# Altium PCB MB1166.PcbDoc (part 15 of 39)
Units mil, origin at the board's own origin, x right, y up, seen from the top; angles counter-clockwise.
Board outline 5000.99 x 2352.96 mil, 4 copper layers (TOP, L2_GND, L3_VCC, BOTTOM), stack 25.9 mil thick; 35 components, 24 nets, 166 pads, 143 vias.
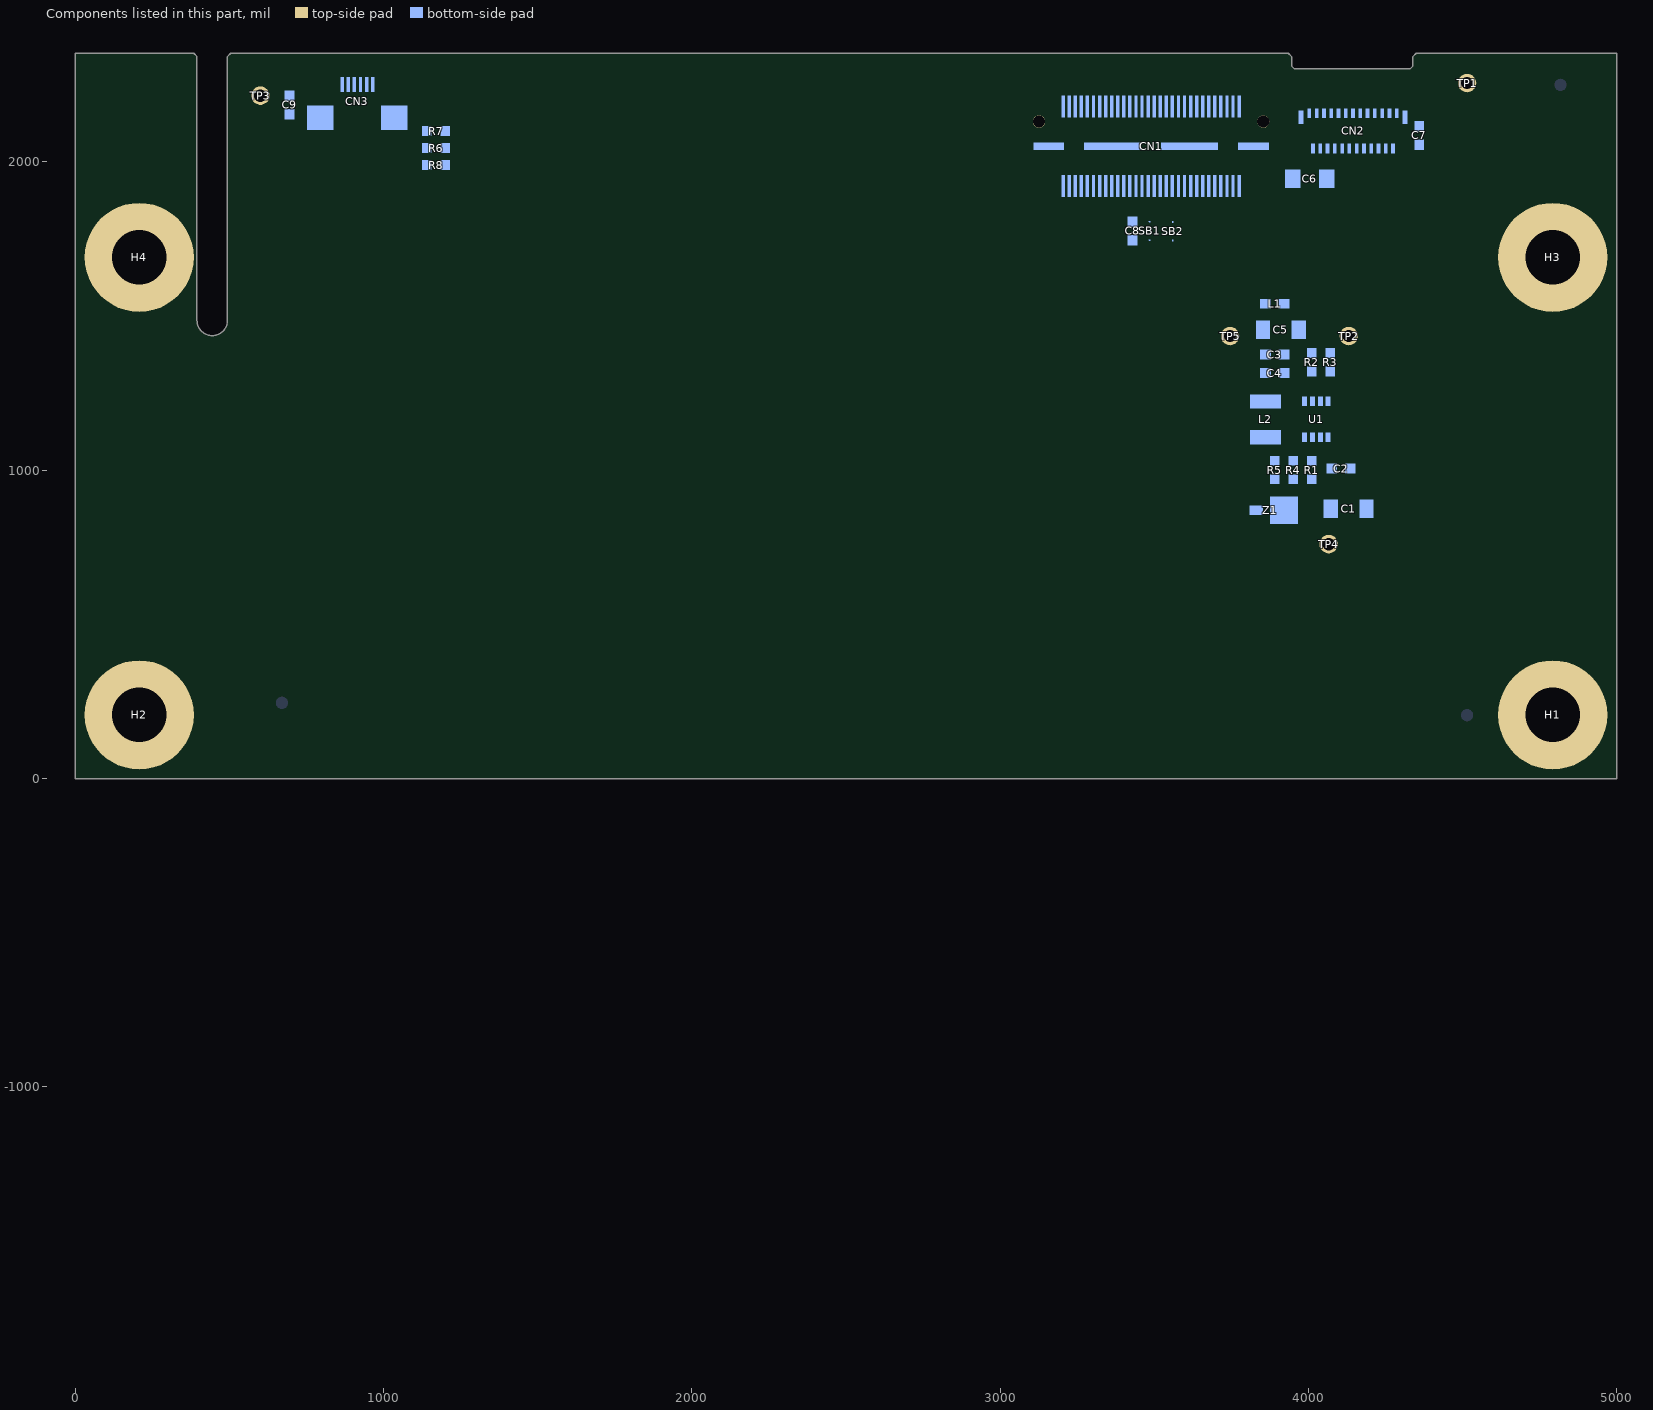
[diagram p17: the components of this part, seen from the top]

## Via types
v1: diameter 24, hole 12, TOP to BOTTOM, 143 vias

## Nets (pads, with @x,y where several pads share a name; then routed paths per layer and width w, separated by ;. In a path a pad name is that pad's centre, name@x,y a point inside that pad or via, vN(x,y) a via of type N, cw(c..) or ccw(c..) an arc to the next point about the centre after c; other vN are vias at no path point) (continued)
copper on no net: (continued)
  TOP w3: 606.09,-1141.59 cw(c530.2,-1161.4) 537.1,-1239.53 ; 451.77,-1162.72 451.77,-1162.02 ; 451.77,-1162.72 451.78,-1162.82 ; 451.77,-1162.72 451.77,-1162.02 ; 451.77,-1162.72 451.78,-1162.82 ; 451.77,-1162.02 451.76,-1161.92 ; 451.77,-1162.02 451.76,-1161.92 ; 451.76,-1161.92 451.76,-1160.92 ; 451.76,-1161.92 451.76,-1160.92 ; 451.76,-1160.92 451.77,-1160.82 ; 451.76,-1160.92 451.77,-1160.82 ; 451.77,-1160.82 451.77,-1160.12 ; 451.77,-1160.82 451.77,-1160.12 ; 451.77,-1160.12 451.78,-1160.02 ; 451.77,-1160.12 451.78,-1160.02 ; 451.82,-1164.42 451.82,-1164.32 ; 451.82,-1164.42 451.83,-1164.52 ; 451.82,-1164.42 451.82,-1164.32 ; 451.82,-1164.42 451.83,-1164.52 ; 451.82,-1164.32 451.81,-1164.22 ; 451.82,-1164.32 451.81,-1164.22 ; 451.81,-1164.22 451.81,-1164.02 ; 451.81,-1164.22 451.81,-1164.02 ; 451.81,-1164.02 451.8,-1163.92 ; 451.81,-1164.02 451.8,-1163.92 ; 451.8,-1163.92 451.8,-1163.72 ; 451.8,-1163.92 451.8,-1163.72 ; 451.8,-1163.72 451.79,-1163.62 ; 451.8,-1163.72 451.79,-1163.62 ; 451.79,-1163.62 451.79,-1163.32 ; 451.79,-1163.62 451.79,-1163.32 ; 451.79,-1163.32 451.78,-1163.22 ; 451.79,-1163.32 451.78,-1163.22 ; 451.78,-1163.22 451.78,-1162.82 ; 451.78,-1163.22 451.78,-1162.82 ; 451.78,-1160.02 451.78,-1159.62 ; 451.78,-1160.02 451.78,-1159.62 ; 451.78,-1159.62 451.79,-1159.52 ; 451.78,-1159.62 451.79,-1159.52 ; 451.79,-1159.52 451.79,-1159.22 ; 451.79,-1159.52 451.79,-1159.22 ; 451.79,-1159.22 451.8,-1159.12 ; 451.79,-1159.22 451.8,-1159.12 ; 451.8,-1159.12 451.8,-1158.92 ; 451.8,-1159.12 451.8,-1158.92 ; 451.8,-1158.92 451.81,-1158.82 ; 451.8,-1158.92 451.81,-1158.82 ; 451.81,-1158.82 451.81,-1158.62 ; 451.81,-1158.82 451.81,-1158.62 ; 451.81,-1158.62 451.82,-1158.52 ; 451.81,-1158.62 451.82,-1158.52 ; 451.82,-1158.52 451.82,-1158.32 ; 451.82,-1158.52 451.82,-1158.32 ; 451.82,-1158.32 451.83,-1158.22 ; 451.82,-1158.32 451.83,-1158.22 ; 451.87,-1165.51 451.87,-1165.41 ; 451.87,-1165.51 451.88,-1165.61 ; 451.87,-1165.51 451.87,-1165.41 ; 451.87,-1165.51 451.88,-1165.61 ; 451.87,-1165.41 451.86,-1165.31 ; 451.87,-1165.41 451.86,-1165.31 ; 451.86,-1165.31 451.86,-1165.21 ; 451.86,-1165.31 451.86,-1165.21 ; 451.86,-1165.21 451.85,-1165.11 ; 451.86,-1165.21 451.85,-1165.11 ; 451.85,-1165.11 451.85,-1165.01 ; 451.85,-1165.11 451.85,-1165.01 ; 451.85,-1165.01 451.84,-1164.92 ; 451.85,-1165.01 451.84,-1164.92 ; 451.84,-1164.92 451.84,-1164.82 ; 451.84,-1164.92 451.84,-1164.82 ; 451.84,-1164.82 451.83,-1164.72 ; 451.84,-1164.82 451.83,-1164.72 ; 451.83,-1164.72 451.83,-1164.52 ; 451.83,-1164.72 451.83,-1164.52 ; 451.83,-1158.22 451.83,-1158.12 ; 451.83,-1158.22 451.83,-1158.12 ; 451.83,-1158.12 451.84,-1158.02 ; 451.83,-1158.12 451.84,-1158.02 ; 451.84,-1158.02 451.84,-1157.92 ; 451.84,-1158.02 451.84,-1157.92 ; 451.84,-1157.92 451.85,-1157.82 ; 451.84,-1157.92 451.85,-1157.82 ; 451.85,-1157.82 451.85,-1157.62 ; 451.85,-1157.82 451.85,-1157.62 ; 451.85,-1157.62 451.86,-1157.52 ; 451.85,-1157.62 451.86,-1157.52 ; 451.86,-1157.52 451.86,-1157.42 ; 451.86,-1157.52 451.86,-1157.42 ; 451.86,-1157.42 451.87,-1157.32 ; 451.86,-1157.42 451.87,-1157.32 ; 451.87,-1157.32 451.87,-1157.22 ; 451.87,-1157.32 451.87,-1157.22 ; 451.87,-1157.22 451.89,-1157.02 ; 451.87,-1157.22 451.89,-1157.02 ; 451.92,-1166.41 451.92,-1166.31 ; 451.92,-1166.41 451.94,-1166.61 ; 451.92,-1166.41 451.92,-1166.31 ; 451.92,-1166.41 451.94,-1166.61 ; 451.92,-1166.31 451.91,-1166.21 ; 451.92,-1166.31 451.91,-1166.21 ; 451.91,-1166.21 451.91,-1166.11 ; 451.91,-1166.21 451.91,-1166.11 ; 451.91,-1166.11 451.89,-1165.91 ; 451.91,-1166.11 451.89,-1165.91 ; 451.89,-1165.91 451.89,-1165.81 ; 451.89,-1165.91 451.89,-1165.81 ; 451.89,-1165.81 451.88,-1165.71 ; 451.89,-1165.81 451.88,-1165.71 ; 451.88,-1165.71 451.88,-1165.61 ; 451.88,-1165.71 451.88,-1165.61 ; 451.89,-1157.02 451.89,-1156.92 ; 451.89,-1157.02 451.89,-1156.92 ; 451.89,-1156.92 451.9,-1156.82 ; 451.89,-1156.92 451.9,-1156.82 ; 451.9,-1156.82 451.9,-1156.72 ; 451.9,-1156.82 451.9,-1156.72 ; 451.9,-1156.72 451.92,-1156.52 ; 451.9,-1156.72 451.92,-1156.52 ; 451.92,-1156.52 451.92,-1156.42 ; 451.92,-1156.52 451.92,-1156.42 ; 451.92,-1156.42 451.93,-1156.32 ; 451.92,-1156.42 451.93,-1156.32 ; 451.96,-1167.01 451.96,-1166.91 ; 451.96,-1167.01 451.99,-1167.31 ; 451.96,-1167.01 451.96,-1166.91 ; 451.96,-1167.01 451.99,-1167.31 ; 451.96,-1166.91 451.94,-1166.71 ; 451.96,-1166.91 451.94,-1166.71 ; 451.94,-1166.71 451.94,-1166.61 ; 451.94,-1166.71 451.94,-1166.61 ; 451.93,-1156.32 451.93,-1156.22 ; 451.93,-1156.32 451.93,-1156.22 ; 451.93,-1156.22 451.95,-1156.02 ; 451.93,-1156.22 451.95,-1156.02 ; 451.95,-1156.02 451.95,-1155.92 ; 451.95,-1156.02 451.95,-1155.92 ; 451.95,-1155.92 451.98,-1155.62 ; 451.95,-1155.92 451.98,-1155.62 ; 451.99,-1167.41 451.99,-1167.31 ; 451.99,-1167.41 452.03,-1167.81 ; 451.99,-1167.41 451.99,-1167.31 ; 451.99,-1167.41 452.03,-1167.81 ; 451.98,-1155.62 451.98,-1155.52 ; 451.98,-1155.62 451.98,-1155.52 ; 451.98,-1155.52 452.01,-1155.22 ; 451.98,-1155.52 452.01,-1155.22 ; 452.01,-1155.22 452.01,-1155.12 ; 452.01,-1155.22 452.01,-1155.12 ; 452.01,-1155.12 452.06,-1154.62 ; 452.01,-1155.12 452.06,-1154.62 ; 452.03,-1167.91 452.03,-1167.81 ; 452.03,-1167.91 452.1,-1168.61 ; 452.03,-1167.91 452.03,-1167.81 ; 452.03,-1167.91 452.1,-1168.61 ; 452.06,-1154.62 452.07,-1154.53 ; 452.06,-1154.62 452.07,-1154.53 ; 452.07,-1154.53 452.07,-1154.43 ; 452.07,-1154.53 452.07,-1154.43 ; 452.07,-1154.43 452.25,-1152.63 ; 452.07,-1154.43 452.25,-1152.63 ; 452.12,-1168.9 452.11,-1168.81 ; 452.12,-1168.9 452.21,-1169.8 ; 452.12,-1168.9 452.11,-1168.81 ; 452.12,-1168.9 452.21,-1169.8 ; 452.11,-1168.81 452.1,-1168.71 ; 452.11,-1168.81 452.1,-1168.71 ; 452.1,-1168.71 452.1,-1168.61 ; 452.1,-1168.71 452.1,-1168.61 ; 452.21,-1169.8 452.23,-1169.9 ; 452.21,-1169.8 452.23,-1169.9 ; 452.23,-1169.9 452.3,-1170.6 ; 452.23,-1169.9 452.3,-1170.6 ; 452.25,-1152.63 452.27,-1152.54 ; 452.25,-1152.63 452.27,-1152.54 ; 452.27,-1152.54 452.32,-1152.04 ; 452.27,-1152.54 452.32,-1152.04 ; 452.32,-1170.69 452.3,-1170.6 ; 452.32,-1170.69 452.36,-1171.09 ; 452.32,-1170.69 452.3,-1170.6 ; 452.32,-1170.69 452.36,-1171.09 ; 452.32,-1152.04 452.34,-1151.94 ; 452.32,-1152.04 452.34,-1151.94 ; 452.36,-1171.09 452.38,-1171.19 ; 452.36,-1171.09 452.38,-1171.19 ; 452.34,-1151.94 452.37,-1151.64 ; 452.34,-1151.94 452.37,-1151.64 ; 452.37,-1151.64 452.39,-1151.54 ; 452.37,-1151.64 452.39,-1151.54 ; 452.41,-1171.49 452.38,-1171.19 ; 452.41,-1171.49 452.43,-1171.59 ; 452.41,-1171.49 452.38,-1171.19 ; 452.41,-1171.49 452.43,-1171.59 ; 452.39,-1151.54 452.42,-1151.24 ; 452.39,-1151.54 452.42,-1151.24 ; 452.42,-1151.24 452.44,-1151.15 ; 452.42,-1151.24 452.44,-1151.15 ; 452.47,-1171.88 452.45,-1171.79 ; 452.47,-1171.88 452.49,-1172.08 ; 452.47,-1171.88 452.45,-1171.79 ; 452.47,-1171.88 452.49,-1172.08 ; 452.45,-1171.79 452.43,-1171.59 ; 452.45,-1171.79 452.43,-1171.59 ; 452.44,-1151.15 452.46,-1150.95 ; 452.44,-1151.15 452.46,-1150.95 ; 452.46,-1150.95 452.48,-1150.85 ; 452.46,-1150.95 452.48,-1150.85 ; 452.52,-1172.28 452.51,-1172.18 ; 452.52,-1172.28 452.54,-1172.38 ; 452.52,-1172.28 452.51,-1172.18 ; 452.52,-1172.28 452.54,-1172.38 ; 452.51,-1172.18 452.49,-1172.08 ; 452.51,-1172.18 452.49,-1172.08 ; 452.48,-1150.85 452.5,-1150.65 ; 452.48,-1150.85 452.5,-1150.65 ; 452.5,-1150.65 452.52,-1150.55 ; 452.5,-1150.65 452.52,-1150.55 ; 452.52,-1150.55 452.53,-1150.45 ; 452.52,-1150.55 452.53,-1150.45 ; 452.56,-1172.58 452.54,-1172.38 ; 452.56,-1172.58 452.58,-1172.68 ; 452.56,-1172.58 452.54,-1172.38 ; 452.56,-1172.58 452.58,-1172.68 ; 452.53,-1150.45 452.55,-1150.35 ; 452.53,-1150.45 452.55,-1150.35 ; 452.55,-1150.35 452.56,-1150.25 ; 452.55,-1150.35 452.56,-1150.25 ; 452.56,-1150.25 452.57,-1150.16 ; 452.56,-1150.25 452.57,-1150.16 ; 452.57,-1150.16 452.59,-1150.06 ; 452.57,-1150.16 452.59,-1150.06 ; 452.62,-1172.97 452.61,-1172.87 ; 452.62,-1172.97 452.64,-1173.07 ; 452.62,-1172.97 452.61,-1172.87 ; 452.62,-1172.97 452.64,-1173.07 ; 452.61,-1172.87 452.59,-1172.78 ; 452.61,-1172.87 452.59,-1172.78 ; 452.59,-1172.78 452.58,-1172.68 ; 452.59,-1172.78 452.58,-1172.68 ; 452.59,-1150.06 452.6,-1149.96 ; 452.59,-1150.06 452.6,-1149.96 ; 452.6,-1149.96 452.62,-1149.86 ; 452.6,-1149.96 452.62,-1149.86 ; 452.62,-1149.86 452.63,-1149.76 ; 452.62,-1149.86 452.63,-1149.76 ; 452.67,-1173.27 452.65,-1173.17 ; 452.67,-1173.27 452.68,-1173.37 ; 452.67,-1173.27 452.65,-1173.17 ; 452.67,-1173.27 452.68,-1173.37 ; 452.65,-1173.17 452.64,-1173.07 ; 452.65,-1173.17 452.64,-1173.07 ; 452.63,-1149.76 452.65,-1149.66 ; 452.63,-1149.76 452.65,-1149.66 ; 452.65,-1149.66 452.66,-1149.56 ; 452.65,-1149.66 452.66,-1149.56 ; 452.66,-1149.56 452.68,-1149.46 ; 452.66,-1149.56 452.68,-1149.46 ; 452.71,-1173.57 452.7,-1173.47 ; 452.71,-1173.57 452.73,-1173.67 ; 452.71,-1173.57 452.7,-1173.47 ; 452.71,-1173.57 452.73,-1173.67 ; 452.7,-1173.47 452.68,-1173.37 ; 452.7,-1173.47 452.68,-1173.37 ; 452.68,-1149.46 452.69,-1149.36 ; 452.68,-1149.46 452.69,-1149.36 ; 452.69,-1149.36 452.71,-1149.27 ; 452.69,-1149.36 452.71,-1149.27 ; 452.71,-1149.27 452.72,-1149.17 ; 452.71,-1149.27 452.72,-1149.17 ; 452.72,-1149.17 452.74,-1149.07 ; 452.72,-1149.17 452.74,-1149.07 ; 452.74,-1173.76 452.73,-1173.67 ; 452.74,-1173.76 452.78,-1173.96 ; 452.74,-1173.76 452.73,-1173.67 ; 452.74,-1173.76 452.78,-1173.96 ; 452.74,-1149.07 452.75,-1148.97 ; 452.74,-1149.07 452.75,-1148.97 ; 452.75,-1148.97 452.79,-1148.77 ; 452.75,-1148.97 452.79,-1148.77 ; 452.82,-1174.26 452.81,-1174.16 ; 452.82,-1174.26 452.86,-1174.46 ; 452.82,-1174.26 452.81,-1174.16 ; 452.82,-1174.26 452.86,-1174.46 ; 452.81,-1174.16 452.79,-1174.06 ; 452.81,-1174.16 452.79,-1174.06 ; 452.79,-1174.06 452.78,-1173.96 ; 452.79,-1174.06 452.78,-1173.96 ; 452.79,-1148.77 452.8,-1148.67 ; 452.79,-1148.77 452.8,-1148.67 ; 452.8,-1148.67 452.82,-1148.57 ; 452.8,-1148.67 452.82,-1148.57 ; 452.82,-1148.57 452.84,-1148.48 ; 452.82,-1148.57 452.84,-1148.48 ; 452.87,-1174.55 452.86,-1174.46 ; 452.87,-1174.55 452.93,-1174.85 ; 452.87,-1174.55 452.86,-1174.46 ; 452.87,-1174.55 452.93,-1174.85 ; 452.84,-1148.48 452.85,-1148.38 ; 452.84,-1148.48 452.85,-1148.38 ; 452.85,-1148.38 452.89,-1148.18 ; 452.85,-1148.38 452.89,-1148.18 ; 452.89,-1148.18 452.9,-1148.08 ; 452.89,-1148.18 452.9,-1148.08 ; 452.9,-1148.08 452.94,-1147.88 ; 452.9,-1148.08 452.94,-1147.88 ; 452.96,-1175.05 452.94,-1174.95 ; 452.96,-1175.05 452.98,-1175.14 ; 452.96,-1175.05 452.94,-1174.95 ; 452.96,-1175.05 452.98,-1175.14 ; 452.94,-1174.95 452.93,-1174.85 ; 452.94,-1174.95 452.93,-1174.85 ; 452.94,-1147.88 452.95,-1147.79 ; 452.94,-1147.88 452.95,-1147.79 ; 452.95,-1147.79 453.01,-1147.49 ; 452.95,-1147.79 453.01,-1147.49 ; 452.99,-1175.24 452.98,-1175.14 ; 452.99,-1175.24 453.07,-1175.64 ; 452.99,-1175.24 452.98,-1175.14 ; 452.99,-1175.24 453.07,-1175.64 ; 453.01,-1147.49 453.02,-1147.39 ; 453.01,-1147.49 453.02,-1147.39 ; 453.02,-1147.39 453.04,-1147.29 ; 453.02,-1147.39 453.04,-1147.29 ; 453.07,-1175.64 453.08,-1175.74 ; 453.07,-1175.64 453.08,-1175.74 ; 453.04,-1147.29 453.06,-1147.2 ; 453.04,-1147.29 453.06,-1147.2 ; 453.06,-1147.2 453.12,-1146.9 ; 453.06,-1147.2 453.12,-1146.9 ; 453.1,-1175.83 453.08,-1175.74 ; 453.1,-1175.83 453.18,-1176.23 ; 453.1,-1175.83 453.08,-1175.74 ; 453.1,-1175.83 453.18,-1176.23 ; 453.12,-1146.9 453.13,-1146.8 ; 453.12,-1146.9 453.13,-1146.8 ; 453.13,-1146.8 453.15,-1146.7 ; 453.13,-1146.8 453.15,-1146.7 ; 453.15,-1146.7 453.17,-1146.61 ; 453.15,-1146.7 453.17,-1146.61 ; 453.17,-1146.61 453.27,-1146.11 ; 453.17,-1146.61 453.27,-1146.11 ; 453.22,-1176.42 453.2,-1176.32 ; 453.22,-1176.42 453.23,-1176.52 ; 453.22,-1176.42 453.2,-1176.32 ; 453.22,-1176.42 453.23,-1176.52 ; 453.2,-1176.32 453.18,-1176.23 ; 453.2,-1176.32 453.18,-1176.23 ; 453.23,-1176.52 453.29,-1176.82 ; 453.23,-1176.52 453.29,-1176.82 ; 453.27,-1146.11 453.29,-1146.02 ; 453.27,-1146.11 453.29,-1146.02 ; 453.31,-1176.91 453.29,-1176.82 ; 453.31,-1176.91 453.39,-1177.31 ; 453.31,-1176.91 453.29,-1176.82 ; 453.31,-1176.91 453.39,-1177.31 ; 453.29,-1146.02 453.37,-1145.62 ; 453.29,-1146.02 453.37,-1145.62 ; 453.37,-1145.62 453.39,-1145.53 ; 453.37,-1145.62 453.39,-1145.53 ; 453.41,-1177.4 453.39,-1177.31 ; 453.41,-1177.4 453.45,-1177.6 ; 453.41,-1177.4 453.39,-1177.31 ; 453.41,-1177.4 453.45,-1177.6 ; 453.39,-1145.53 453.45,-1145.23 ; 453.39,-1145.53 453.45,-1145.23 ; 453.45,-1177.6 453.48,-1177.7 ; 453.45,-1177.6 453.48,-1177.7 ; 453.45,-1145.23 453.47,-1145.14 ; 453.45,-1145.23 453.47,-1145.14 ; 453.47,-1145.14 453.55,-1144.74 ; 453.47,-1145.14 453.55,-1144.74 ; 453.5,-1177.79 453.48,-1177.7 ; 453.5,-1177.79 453.58,-1178.19 ; 453.5,-1177.79 453.48,-1177.7 ; 453.5,-1177.79 453.58,-1178.19 ; 453.55,-1144.74 453.57,-1144.65 ; 453.55,-1144.74 453.57,-1144.65 ; 453.57,-1144.65 453.59,-1144.55 ; 453.57,-1144.65 453.59,-1144.55 ; 453.62,-1178.38 453.6,-1178.28 ; 453.62,-1178.38 453.65,-1178.48 ; 453.62,-1178.38 453.6,-1178.28 ; 453.62,-1178.38 453.65,-1178.48 ; 453.6,-1178.28 453.58,-1178.19 ; 453.6,-1178.28 453.58,-1178.19 ; 453.59,-1144.55 453.62,-1144.45 ; 453.59,-1144.55 453.62,-1144.45 ; 453.62,-1144.45 453.64,-1144.35 ; 453.62,-1144.45 453.64,-1144.35 ; 453.67,-1178.58 453.65,-1178.48 ; 453.67,-1178.58 453.69,-1178.67 ; 453.67,-1178.58 453.65,-1178.48 ; 453.67,-1178.58 453.69,-1178.67 ; 453.64,-1144.35 453.66,-1144.26 ; 453.64,-1144.35 453.66,-1144.26 ; 453.66,-1144.26 453.7,-1144.06 ; 453.66,-1144.26 453.7,-1144.06 ; 453.69,-1178.67 453.73,-1178.87 ; 453.69,-1178.67 453.73,-1178.87 ; 453.7,-1144.06 453.73,-1143.96 ; 453.7,-1144.06 453.73,-1143.96 ; 453.76,-1178.97 453.73,-1178.87 ; 453.76,-1178.97 453.78,-1179.06 ; 453.76,-1178.97 453.73,-1178.87 ; 453.76,-1178.97 453.78,-1179.06 ; 453.73,-1143.96 453.75,-1143.87 ; 453.73,-1143.96 453.75,-1143.87 ; 453.75,-1143.87 453.79,-1143.67 ; 453.75,-1143.87 453.79,-1143.67 ; 453.82,-1179.26 453.78,-1179.06 ; 453.82,-1179.26 453.85,-1179.36 ; 453.82,-1179.26 453.78,-1179.06 ; 453.82,-1179.26 453.85,-1179.36 ; 453.79,-1143.67 453.82,-1143.57 ; 453.79,-1143.67 453.82,-1143.57 ; 453.82,-1143.57 453.84,-1143.48 ; 453.82,-1143.57 453.84,-1143.48 ; 453.87,-1179.45 453.85,-1179.36 ; 453.87,-1179.45 453.89,-1179.55 ; 453.87,-1179.45 453.85,-1179.36 ; 453.87,-1179.45 453.89,-1179.55 ; 453.84,-1143.48 453.88,-1143.28 ; 453.84,-1143.48 453.88,-1143.28 ; 453.92,-1179.65 453.89,-1179.55 ; 453.92,-1179.65 453.94,-1179.74 ; 453.92,-1179.65 453.89,-1179.55 ; 453.92,-1179.65 453.94,-1179.74 ; 453.88,-1143.28 453.91,-1143.18 ; 453.88,-1143.28 453.91,-1143.18 ; 453.91,-1143.18 453.93,-1143.09 ; 453.91,-1143.18 453.93,-1143.09 ; 453.96,-1179.84 453.94,-1179.74 ; 453.96,-1179.84 453.99,-1179.94 ; 453.96,-1179.84 453.94,-1179.74 ; 453.96,-1179.84 453.99,-1179.94 ; 453.93,-1143.09 453.95,-1142.99 ; 453.93,-1143.09 453.95,-1142.99 ; 453.95,-1142.99 453.98,-1142.89 ; 453.95,-1142.99 453.98,-1142.89 ; 454.01,-1180.04 453.99,-1179.94 ; 454.01,-1180.04 454.03,-1180.13 ; 454.01,-1180.04 453.99,-1179.94 ; 454.01,-1180.04 454.03,-1180.13 ; 453.98,-1142.89 454,-1142.8 ; 453.98,-1142.89 454,-1142.8 ; 454,-1142.8 454.03,-1142.7 ; 454,-1142.8 454.03,-1142.7 ; 454.06,-1180.23 454.03,-1180.13 ; 454.06,-1180.23 454.08,-1180.33 ; 454.06,-1180.23 454.03,-1180.13 ; 454.06,-1180.23 454.08,-1180.33 ; 454.03,-1142.7 454.07,-1142.5 ; 454.03,-1142.7 454.07,-1142.5 ; 454.07,-1142.5 454.1,-1142.41 ; 454.07,-1142.5 454.1,-1142.41 ; 454.11,-1180.42 454.08,-1180.33 ; 454.11,-1180.42 454.15,-1180.62 ; 454.11,-1180.42 454.08,-1180.33 ; 454.11,-1180.42 454.15,-1180.62 ; 454.1,-1142.41 454.12,-1142.31 ; 454.1,-1142.41 454.12,-1142.31 ; 454.12,-1142.31 454.15,-1142.21 ; 454.12,-1142.31 454.15,-1142.21 ; 454.15,-1180.62 454.18,-1180.72 ; 454.15,-1180.62 454.18,-1180.72 ; 454.15,-1142.21 454.17,-1142.12 ; 454.15,-1142.21 454.17,-1142.12 ; 454.17,-1142.12 454.2,-1142.02 ; 454.17,-1142.12 454.2,-1142.02 ; 454.2,-1180.81 454.18,-1180.72 ; 454.2,-1180.81 454.23,-1180.91 ; 454.2,-1180.81 454.18,-1180.72 ; 454.2,-1180.81 454.23,-1180.91 ; 454.2,-1142.02 454.22,-1141.92 ; 454.2,-1142.02 454.22,-1141.92 ; 454.22,-1141.92 454.25,-1141.83 ; 454.22,-1141.92 454.25,-1141.83 ; 454.25,-1181.01 454.23,-1180.91 ; 454.25,-1181.01 454.28,-1181.1 ; 454.25,-1181.01 454.23,-1180.91 ; 454.25,-1181.01 454.28,-1181.1 ; 454.25,-1141.83 454.27,-1141.73 ; 454.25,-1141.83 454.27,-1141.73 ; 454.27,-1141.73 454.3,-1141.63 ; 454.27,-1141.73 454.3,-1141.63 ; 454.3,-1181.2 454.28,-1181.1 ; 454.3,-1181.2 454.33,-1181.3 ; 454.3,-1181.2 454.28,-1181.1 ; 454.3,-1181.2 454.33,-1181.3 ; 454.3,-1141.63 454.32,-1141.53 ; 454.3,-1141.63 454.32,-1141.53 ; 454.32,-1141.53 454.35,-1141.44 ; 454.32,-1141.53 454.35,-1141.44 ; 454.35,-1181.39 454.33,-1181.3 ; 454.35,-1181.39 454.41,-1181.59 ; 454.35,-1181.39 454.33,-1181.3 ; 454.35,-1181.39 454.41,-1181.59 ; 454.35,-1141.44 454.37,-1141.34 ; 454.35,-1141.44 454.37,-1141.34 ; 454.37,-1141.34 454.4,-1141.24 ; 454.37,-1141.34 454.4,-1141.24 ; 454.41,-1181.59 454.43,-1181.68 ; 454.41,-1181.59 454.43,-1181.68 ; 454.4,-1141.24 454.42,-1141.15 ; 454.4,-1141.24 454.42,-1141.15 ; 454.42,-1141.15 454.45,-1141.05 ; 454.42,-1141.15 454.45,-1141.05 ; 454.46,-1181.78 454.43,-1181.68 ; 454.46,-1181.78 454.48,-1181.88 ; 454.46,-1181.78 454.43,-1181.68 ; 454.46,-1181.78 454.48,-1181.88 ; 454.45,-1141.05 454.47,-1140.96 ; 454.45,-1141.05 454.47,-1140.96 ; 454.47,-1140.96 454.53,-1140.76 ; 454.47,-1140.96 454.53,-1140.76 ; 454.51,-1181.97 454.48,-1181.88 ; 454.51,-1181.97 454.54,-1182.07 ; 454.51,-1181.97 454.48,-1181.88 ; 454.51,-1181.97 454.54,-1182.07 ; 454.56,-1182.17 454.54,-1182.07 ; 454.56,-1182.17 454.59,-1182.26 ; 454.56,-1182.17 454.54,-1182.07 ; 454.56,-1182.17 454.59,-1182.26 ; 454.53,-1140.76 454.55,-1140.67 ; 454.53,-1140.76 454.55,-1140.67 ; 454.55,-1140.67 454.61,-1140.47 ; 454.55,-1140.67 454.61,-1140.47 ; 454.62,-1182.36 454.59,-1182.26 ; 454.62,-1182.36 454.64,-1182.45 ; 454.62,-1182.36 454.59,-1182.26 ; 454.62,-1182.36 454.64,-1182.45 ; 454.61,-1140.47 454.63,-1140.38 ; 454.61,-1140.47 454.63,-1140.38 ; 454.64,-1182.45 454.7,-1182.65 ; 454.64,-1182.45 454.7,-1182.65 ; 454.63,-1140.38 454.69,-1140.18 ; 454.63,-1140.38 454.69,-1140.18 ; 454.72,-1182.74 454.7,-1182.65 ; 454.72,-1182.74 454.78,-1182.94 ; 454.72,-1182.74 454.7,-1182.65 ; 454.72,-1182.74 454.78,-1182.94 ; 454.69,-1140.18 454.71,-1140.09 ; 454.69,-1140.18 454.71,-1140.09 ; 454.71,-1140.09 454.74,-1139.99 ; 454.71,-1140.09 454.74,-1139.99 ; 454.74,-1139.99 454.77,-1139.9 ; 454.74,-1139.99 454.77,-1139.9 ; 454.77,-1139.9 454.8,-1139.8 ; 454.77,-1139.9 454.8,-1139.8 ; 454.81,-1183.03 454.78,-1182.94 ; 454.81,-1183.03 454.83,-1183.13 ; 454.81,-1183.03 454.78,-1182.94 ; 454.81,-1183.03 454.83,-1183.13 ; 454.8,-1139.8 454.82,-1139.7 ; 454.8,-1139.8 454.82,-1139.7 ; 454.82,-1139.7 454.85,-1139.61 ; 454.82,-1139.7 454.85,-1139.61 ; 454.86,-1183.22 454.83,-1183.13 ; 454.86,-1183.22 454.92,-1183.42 ; 454.86,-1183.22 454.83,-1183.13 ; 454.86,-1183.22 454.92,-1183.42 ; 454.85,-1139.61 454.91,-1139.41 ; 454.85,-1139.61 454.91,-1139.41 ; 454.92,-1183.42 454.95,-1183.51 ; 454.92,-1183.42 454.95,-1183.51 ; 454.91,-1139.41 454.94,-1139.32 ; 454.91,-1139.41 454.94,-1139.32 ; 454.97,-1183.61 454.95,-1183.51 ; 454.97,-1183.61 455,-1183.7 ; 454.97,-1183.61 454.95,-1183.51 ; 454.97,-1183.61 455,-1183.7 ; 454.94,-1139.32 454.96,-1139.22 ; 454.94,-1139.32 454.96,-1139.22 ; 454.96,-1139.22 454.99,-1139.13 ; 454.96,-1139.22 454.99,-1139.13 ; 455,-1183.7 455.06,-1183.9 ; 455,-1183.7 455.06,-1183.9 ; 454.99,-1139.13 455.02,-1139.03 ; 454.99,-1139.13 455.02,-1139.03 ; 455.02,-1139.03 455.05,-1138.94 ; 455.02,-1139.03 455.05,-1138.94 ; 455.06,-1183.9 455.09,-1183.99 ; 455.06,-1183.9 455.09,-1183.99 ; 455.05,-1138.94 455.11,-1138.74 ; 455.05,-1138.94 455.11,-1138.74 ; 455.12,-1184.09 455.09,-1183.99 ; 455.12,-1184.09 455.15,-1184.18 ; 455.12,-1184.09 455.09,-1183.99 ; 455.12,-1184.09 455.15,-1184.18 ; 455.11,-1138.74 455.14,-1138.65 ; 455.11,-1138.74 455.14,-1138.65 ; 455.17,-1184.28 455.15,-1184.18 ; 455.17,-1184.28 455.2,-1184.37 ; 455.17,-1184.28 455.15,-1184.18